# Altium PCB top_LM_v1.PcbDoc (part 1 of 5) (continued)
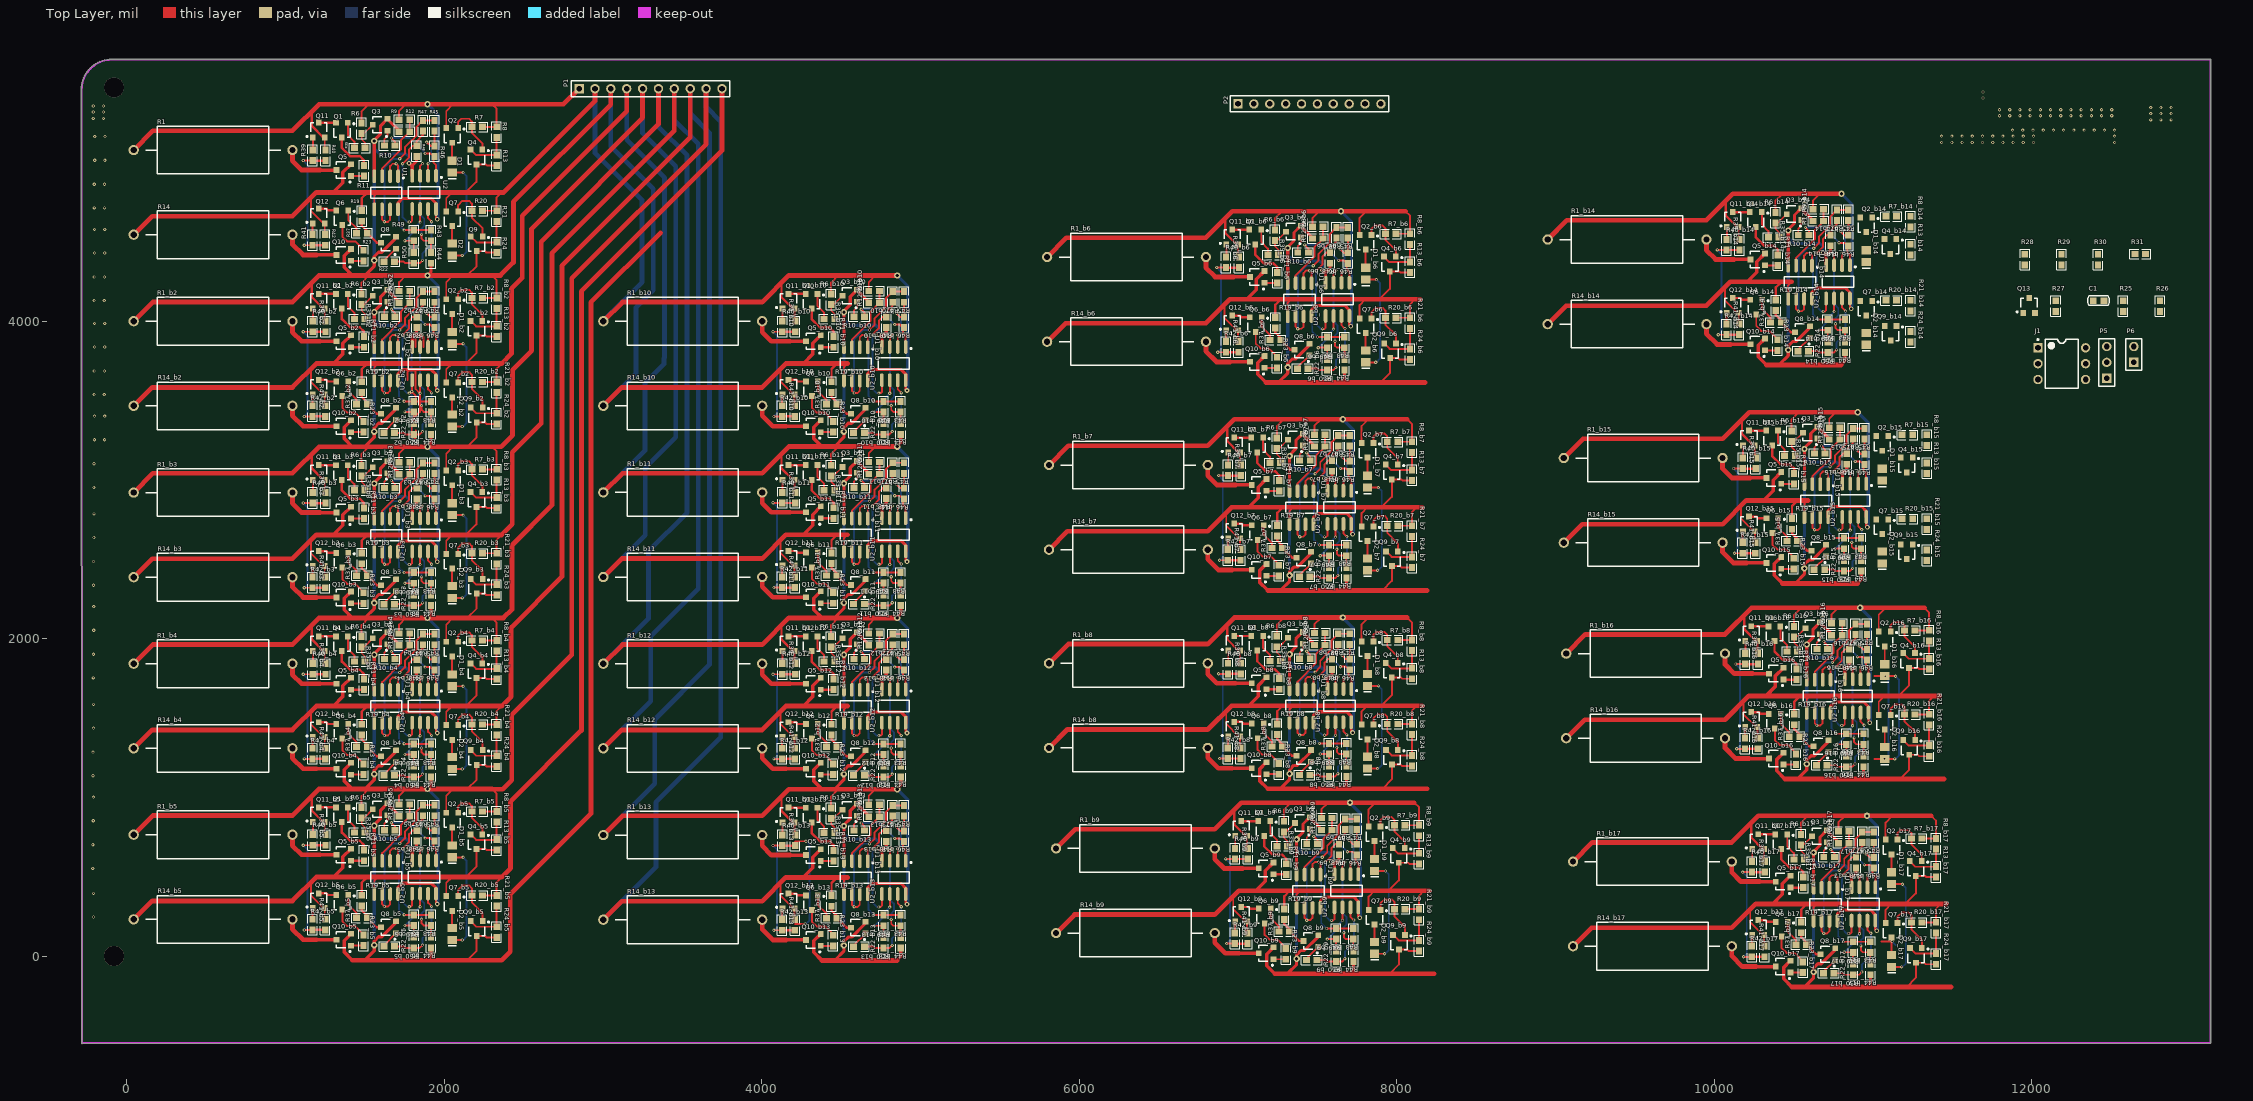
[diagram p0: Top Layer view]
## Components (designator, comment, footprint, x,y, rotation, side; value= is the part's Value field where it differs from the comment) (continued)
Q5_b7 "MOSFET-N" SOT23-3 7132.61,2968 r90 top (schematic designator Q5)
Q5_b8 "MOSFET-N" SOT23-3 7132.61,1719 r90 top (schematic designator Q5)
Q5_b9 "MOSFET-N" SOT23-3 7176.87,553.28 r90 top (schematic designator Q5)
Q5_b10 "MOSFET-N" SOT23-3 4325.87,3873.54 r90 top (schematic designator Q5)
Q5_b11 "MOSFET-N" SOT23-3 4325.87,2795.54 r90 top (schematic designator Q5)
Q5_b12 "MOSFET-N" SOT23-3 4325.87,1716.54 r90 top (schematic designator Q5)
Q5_b13 "MOSFET-N" SOT23-3 4325.87,637.54 r90 top (schematic designator Q5)
Q5_b14 "MOSFET-N" SOT23-3 10272.87,4388.28 r90 top (schematic designator Q5)
Q5_b15 "MOSFET-N" SOT23-3 10374.87,3012.02 r90 top (schematic designator Q5)
Q5_b16 "MOSFET-N" SOT23-3 10389.87,1780.28 r90 top (schematic designator Q5)
Q5_b17 "MOSFET-N" SOT23-3 10432.87,470.28 r90 top (schematic designator Q5)
Q6 "MMBT3906" SOT23-3 1358.87,4651.54 r180 top
Q6_b2 "MMBT3906" SOT23-3 1358.87,3573.54 r180 top (schematic designator Q6)
Q6_b3 "MMBT3906" SOT23-3 1358.87,2494.54 r180 top (schematic designator Q6)
Q6_b4 "MMBT3906" SOT23-3 1358.87,1416.54 r180 top (schematic designator Q6)
Q6_b5 "MMBT3906" SOT23-3 1358.87,339.54 r180 top (schematic designator Q6)
Q6_b6 "MMBT3906" SOT23-3 7111.61,3978 r180 top (schematic designator Q6)
Q6_b7 "MMBT3906" SOT23-3 7123.61,2668 r180 top (schematic designator Q6)
Q6_b8 "MMBT3906" SOT23-3 7123.61,1419 r180 top (schematic designator Q6)
Q6_b9 "MMBT3906" SOT23-3 7167.87,253.28 r180 top (schematic designator Q6)
Q6_b10 "MMBT3906" SOT23-3 4316.87,3573.54 r180 top (schematic designator Q6)
Q6_b11 "MMBT3906" SOT23-3 4316.87,2495.54 r180 top (schematic designator Q6)
Q6_b12 "MMBT3906" SOT23-3 4316.87,1416.54 r180 top (schematic designator Q6)
Q6_b13 "MMBT3906" SOT23-3 4316.87,337.54 r180 top (schematic designator Q6)
Q6_b14 "MMBT3906" SOT23-3 10263.87,4088.28 r180 top (schematic designator Q6)
Q6_b15 "MMBT3906" SOT23-3 10365.87,2712.02 r180 top (schematic designator Q6)
Q6_b16 "MMBT3906" SOT23-3 10380.87,1480.28 r180 top (schematic designator Q6)
Q6_b17 "MMBT3906" SOT23-3 10423.87,170.28 r180 top (schematic designator Q6)
Q7 "MMBT5400" SOT23-3 2050.87,4644.54 r180 top
Q7_b2 "MMBT5400" SOT23-3 2050.87,3566.54 r180 top (schematic designator Q7)
Q7_b3 "MMBT5400" SOT23-3 2050.87,2487.54 r180 top (schematic designator Q7)
Q7_b4 "MMBT5400" SOT23-3 2050.87,1409.54 r180 top (schematic designator Q7)
Q7_b5 "MMBT5400" SOT23-3 2050.87,332.54 r180 top (schematic designator Q7)
Q7_b6 "MMBT5400" SOT23-3 7803.61,3971 r180 top (schematic designator Q7)
Q7_b7 "MMBT5400" SOT23-3 7815.61,2661 r180 top (schematic designator Q7)
Q7_b8 "MMBT5400" SOT23-3 7815.61,1412 r180 top (schematic designator Q7)
Q7_b9 "MMBT5400" SOT23-3 7859.87,246.28 r180 top (schematic designator Q7)
Q7_b14 "MMBT5400" SOT23-3 10955.87,4081.28 r180 top (schematic designator Q7)
Q7_b15 "MMBT5400" SOT23-3 11057.87,2705.02 r180 top (schematic designator Q7)
Q7_b16 "MMBT5400" SOT23-3 11072.87,1473.28 r180 top (schematic designator Q7)
Q7_b17 "MMBT5400" SOT23-3 11115.87,163.28 r180 top (schematic designator Q7)
Q8 "MMBT3904" SOT23-3 1650,4494.26 r90 top
Q8_b2 "MMBT3904" SOT23-3 1650,3416.26 r90 top (schematic designator Q8)
Q8_b3 "MMBT3904" SOT23-3 1650,2337.26 r90 top (schematic designator Q8)
Q8_b4 "MMBT3904" SOT23-3 1650,1259.26 r90 top (schematic designator Q8)
Q8_b5 "MMBT3904" SOT23-3 1650,182.26 r90 top (schematic designator Q8)
Q8_b6 "MMBT3904" SOT23-3 7402.75,3820.72 r90 top (schematic designator Q8)
Q8_b7 "MMBT3904" SOT23-3 7414.75,2510.72 r90 top (schematic designator Q8)
Q8_b8 "MMBT3904" SOT23-3 7414.75,1261.72 r90 top (schematic designator Q8)
Q8_b9 "MMBT3904" SOT23-3 7459,96 r90 top (schematic designator Q8)
Q8_b10 "MMBT3904" SOT23-3 4608,3416.26 r90 top (schematic designator Q8)
Q8_b11 "MMBT3904" SOT23-3 4608,2338.26 r90 top (schematic designator Q8)
Q8_b12 "MMBT3904" SOT23-3 4608,1259.26 r90 top (schematic designator Q8)
Q8_b13 "MMBT3904" SOT23-3 4608,180.26 r90 top (schematic designator Q8)
Q8_b14 "MMBT3904" SOT23-3 10555,3931 r90 top (schematic designator Q8)
Q8_b15 "MMBT3904" SOT23-3 10657,2554.74 r90 top (schematic designator Q8)
Q8_b16 "MMBT3904" SOT23-3 10672,1323 r90 top (schematic designator Q8)
Q8_b17 "MMBT3904" SOT23-3 10715,13 r90 top (schematic designator Q8)
Q9 "TL431" SOT23-3 2204.87,4486.54 r180 top
Q9_b2 "TL431" SOT23-3 2204.87,3408.54 r180 top (schematic designator Q9)
Q9_b3 "TL431" SOT23-3 2204.87,2329.54 r180 top (schematic designator Q9)
Q9_b4 "TL431" SOT23-3 2204.87,1251.54 r180 top (schematic designator Q9)
Q9_b5 "TL431" SOT23-3 2204.87,174.54 r180 top (schematic designator Q9)
Q9_b6 "TL431" SOT23-3 7957.61,3813 r180 top (schematic designator Q9)
Q9_b7 "TL431" SOT23-3 7969.61,2503 r180 top (schematic designator Q9)
Q9_b8 "TL431" SOT23-3 7969.61,1254 r180 top (schematic designator Q9)
Q9_b9 "TL431" SOT23-3 8013.87,88.28 r180 top (schematic designator Q9)
Q9_b14 "TL431" SOT23-3 11109.87,3923.28 r180 top (schematic designator Q9)
Q9_b15 "TL431" SOT23-3 11211.87,2547.02 r180 top (schematic designator Q9)
Q9_b16 "TL431" SOT23-3 11226.87,1315.28 r180 top (schematic designator Q9)
Q9_b17 "TL431" SOT23-3 11269.87,5.28 r180 top (schematic designator Q9)
Q10 "MOSFET-N" SOT23-3 1367.87,4416.54 r90 top
Q10_b2 "MOSFET-N" SOT23-3 1367.87,3338.54 r90 top (schematic designator Q10)
Q10_b3 "MOSFET-N" SOT23-3 1367.87,2259.54 r90 top (schematic designator Q10)
Q10_b4 "MOSFET-N" SOT23-3 1367.87,1181.54 r90 top (schematic designator Q10)
Q10_b5 "MOSFET-N" SOT23-3 1367.87,104.54 r90 top (schematic designator Q10)
Q10_b6 "MOSFET-N" SOT23-3 7120.61,3743 r90 top (schematic designator Q10)
Q10_b7 "MOSFET-N" SOT23-3 7132.61,2433 r90 top (schematic designator Q10)
Q10_b8 "MOSFET-N" SOT23-3 7132.61,1184 r90 top (schematic designator Q10)
Q10_b9 "MOSFET-N" SOT23-3 7176.87,18.28 r90 top (schematic designator Q10)
Q10_b10 "MOSFET-N" SOT23-3 4325.87,3338.54 r90 top (schematic designator Q10)
Q10_b11 "MOSFET-N" SOT23-3 4325.87,2260.54 r90 top (schematic designator Q10)
Q10_b12 "MOSFET-N" SOT23-3 4325.87,1181.54 r90 top (schematic designator Q10)
Q10_b13 "MOSFET-N" SOT23-3 4325.87,102.54 r90 top (schematic designator Q10)
Q10_b14 "MOSFET-N" SOT23-3 10272.87,3853.28 r90 top (schematic designator Q10)
Q10_b15 "MOSFET-N" SOT23-3 10374.87,2477.02 r90 top (schematic designator Q10)
Q10_b16 "MOSFET-N" SOT23-3 10389.87,1245.28 r90 top (schematic designator Q10)
Q10_b17 "MOSFET-N" SOT23-3 10432.87,-64.72 r90 top (schematic designator Q10)
Q11 "MMBT3906" SOT23-3 1211,5203.26 r0 top
Q11_b2 "MMBT3906" SOT23-3 1211,4125.26 r0 top (schematic designator Q11)
Q11_b3 "MMBT3906" SOT23-3 1211,3046.26 r0 top (schematic designator Q11)
Q11_b4 "MMBT3906" SOT23-3 1211,1968.26 r0 top (schematic designator Q11)
Q11_b5 "MMBT3906" SOT23-3 1211,891.26 r0 top (schematic designator Q11)
Q11_b6 "MMBT3906" SOT23-3 6963.75,4529.72 r0 top (schematic designator Q11)
Q11_b7 "MMBT3906" SOT23-3 6975.75,3219.72 r0 top (schematic designator Q11)
Q11_b8 "MMBT3906" SOT23-3 6975.75,1970.72 r0 top (schematic designator Q11)
Q11_b9 "MMBT3906" SOT23-3 7020,805 r0 top (schematic designator Q11)
Q11_b10 "MMBT3906" SOT23-3 4169,4125.26 r0 top (schematic designator Q11)
Q11_b11 "MMBT3906" SOT23-3 4169,3047.26 r0 top (schematic designator Q11)
Q11_b12 "MMBT3906" SOT23-3 4169,1968.26 r0 top (schematic designator Q11)
Q11_b13 "MMBT3906" SOT23-3 4169,889.26 r0 top (schematic designator Q11)
Q11_b14 "MMBT3906" SOT23-3 10116,4640 r0 top (schematic designator Q11)
Q11_b15 "MMBT3906" SOT23-3 10218,3263.74 r0 top (schematic designator Q11)
Q11_b16 "MMBT3906" SOT23-3 10233,2032 r0 top (schematic designator Q11)
Q11_b17 "MMBT3906" SOT23-3 10276,722 r0 top (schematic designator Q11)
Q12 "MMBT3906" SOT23-3 1211,4662.26 r0 top
Q12_b2 "MMBT3906" SOT23-3 1211,3584.26 r0 top (schematic designator Q12)
Q12_b3 "MMBT3906" SOT23-3 1211,2505.26 r0 top (schematic designator Q12)
Q12_b4 "MMBT3906" SOT23-3 1211,1427.26 r0 top (schematic designator Q12)
Q12_b5 "MMBT3906" SOT23-3 1211,350.26 r0 top (schematic designator Q12)
Q12_b6 "MMBT3906" SOT23-3 6963.75,3988.72 r0 top (schematic designator Q12)
Q12_b7 "MMBT3906" SOT23-3 6975.75,2678.72 r0 top (schematic designator Q12)
Q12_b8 "MMBT3906" SOT23-3 6975.75,1429.72 r0 top (schematic designator Q12)
Q12_b9 "MMBT3906" SOT23-3 7020,264 r0 top (schematic designator Q12)
Q12_b10 "MMBT3906" SOT23-3 4169,3584.26 r0 top (schematic designator Q12)
Q12_b11 "MMBT3906" SOT23-3 4169,2506.26 r0 top (schematic designator Q12)
Q12_b12 "MMBT3906" SOT23-3 4169,1427.26 r0 top (schematic designator Q12)
Q12_b13 "MMBT3906" SOT23-3 4169,348.26 r0 top (schematic designator Q12)
Q12_b14 "MMBT3906" SOT23-3 10116,4099 r0 top (schematic designator Q12)
Q12_b15 "MMBT3906" SOT23-3 10218,2722.74 r0 top (schematic designator Q12)
Q12_b16 "MMBT3906" SOT23-3 10233,1491 r0 top (schematic designator Q12)
Q12_b17 "MMBT3906" SOT23-3 10276,181 r0 top (schematic designator Q12)
Q13 "NPN" SOT23-3 11982,4098 r0 top
R1 "Res1" AXIAL-1.0 545,5077.26 r180 top
R1_b2 "Res1" AXIAL-1.0 545,3999.26 r180 top (schematic designator R1)
R1_b3 "Res1" AXIAL-1.0 545,2920.26 r180 top (schematic designator R1)
R1_b4 "Res1" AXIAL-1.0 545,1842.26 r180 top (schematic designator R1)
R1_b5 "Res1" AXIAL-1.0 545,765.26 r180 top (schematic designator R1)
R1_b6 "Res1" AXIAL-1.0 6297.75,4403.72 r180 top (schematic designator R1)
R1_b7 "Res1" AXIAL-1.0 6309.75,3093.72 r180 top (schematic designator R1)
R1_b8 "Res1" AXIAL-1.0 6309.75,1844.72 r180 top (schematic designator R1)
R1_b9 "Res1" AXIAL-1.0 6354,679 r180 top (schematic designator R1)
R1_b10 "Res1" AXIAL-1.0 3503,3999.26 r180 top (schematic designator R1)
R1_b11 "Res1" AXIAL-1.0 3503,2921.26 r180 top (schematic designator R1)
R1_b12 "Res1" AXIAL-1.0 3503,1842.26 r180 top (schematic designator R1)
R1_b13 "Res1" AXIAL-1.0 3503,763.26 r180 top (schematic designator R1)
R1_b14 "Res1" AXIAL-1.0 9450,4514 r180 top (schematic designator R1)
R1_b15 "Res1" AXIAL-1.0 9552,3137.74 r180 top (schematic designator R1)
R1_b16 "Res1" AXIAL-1.0 9567,1906 r180 top (schematic designator R1)
R1_b17 "Res1" AXIAL-1.0 9610,596 r180 top (schematic designator R1)
R6 "Res1" 0603-1 1479.87,5215 r90 top
R6_b2 "Res1" 0603-1 1479.87,4137 r90 top (schematic designator R6)
R6_b3 "Res1" 0603-1 1479.87,3058 r90 top (schematic designator R6)
R6_b4 "Res1" 0603-1 1479.87,1980 r90 top (schematic designator R6)
R6_b5 "Res1" 0603-1 1479.87,903 r90 top (schematic designator R6)
R6_b6 "Res1" 0603-1 7232.61,4541.46 r90 top (schematic designator R6)
R6_b7 "Res1" 0603-1 7244.61,3231.46 r90 top (schematic designator R6)
R6_b8 "Res1" 0603-1 7244.61,1982.46 r90 top (schematic designator R6)
R6_b9 "Res1" 0603-1 7288.87,816.74 r90 top (schematic designator R6)
R6_b10 "Res1" 0603-1 4437.87,4137 r90 top (schematic designator R6)
R6_b11 "Res1" 0603-1 4437.87,3059 r90 top (schematic designator R6)
R6_b12 "Res1" 0603-1 4437.87,1980 r90 top (schematic designator R6)
R6_b13 "Res1" 0603-1 4437.87,901 r90 top (schematic designator R6)
R6_b14 "Res1" 0603-1 10384.87,4651.74 r90 top (schematic designator R6)
R6_b15 "Res1" 0603-1 10486.87,3275.48 r90 top (schematic designator R6)
R6_b16 "Res1" 0603-1 10501.87,2043.74 r90 top (schematic designator R6)
R6_b17 "Res1" 0603-1 10544.87,733.74 r90 top (schematic designator R6)
R7 "Res1" 0603-1 2208.87,5223.54 r0 top
R7_b2 "Res1" 0603-1 2208.87,4145.54 r0 top (schematic designator R7)
R7_b3 "Res1" 0603-1 2208.87,3066.54 r0 top (schematic designator R7)
R7_b4 "Res1" 0603-1 2208.87,1988.54 r0 top (schematic designator R7)
R7_b5 "Res1" 0603-1 2208.87,911.54 r0 top (schematic designator R7)
R7_b6 "Res1" 0603-1 7961.61,4550 r0 top (schematic designator R7)
R7_b7 "Res1" 0603-1 7973.61,3240 r0 top (schematic designator R7)
R7_b8 "Res1" 0603-1 7973.61,1991 r0 top (schematic designator R7)
R7_b9 "Res1" 0603-1 8017.87,825.28 r0 top (schematic designator R7)
R7_b14 "Res1" 0603-1 11113.87,4660.28 r0 top (schematic designator R7)
R7_b15 "Res1" 0603-1 11215.87,3284.02 r0 top (schematic designator R7)
R7_b16 "Res1" 0603-1 11230.87,2052.28 r0 top (schematic designator R7)
R7_b17 "Res1" 0603-1 11273.87,742.28 r0 top (schematic designator R7)
R8 "Res1" 0603-1 2330.87,5190.54 r90 top
R8_b2 "Res1" 0603-1 2330.87,4112.54 r90 top (schematic designator R8)
R8_b3 "Res1" 0603-1 2330.87,3033.54 r90 top (schematic designator R8)
R8_b4 "Res1" 0603-1 2330.87,1955.54 r90 top (schematic designator R8)
R8_b5 "Res1" 0603-1 2330.87,878.54 r90 top (schematic designator R8)
R8_b6 "Res1" 0603-1 8083.61,4517 r90 top (schematic designator R8)
R8_b7 "Res1" 0603-1 8095.61,3207 r90 top (schematic designator R8)
R8_b8 "Res1" 0603-1 8095.61,1958 r90 top (schematic designator R8)
R8_b9 "Res1" 0603-1 8139.87,792.28 r90 top (schematic designator R8)
R8_b14 "Res1" 0603-1 11235.87,4627.28 r90 top (schematic designator R8)
R8_b15 "Res1" 0603-1 11337.87,3251.02 r90 top (schematic designator R8)
R8_b16 "Res1" 0603-1 11352.87,2019.28 r90 top (schematic designator R8)
R8_b17 "Res1" 0603-1 11395.87,709.28 r90 top (schematic designator R8)
R9 "Res1" 0603-1 1750,5268.26 r180 top
R9_b2 "Res1" 0603-1 1750,4190.26 r180 top (schematic designator R9)
R9_b3 "Res1" 0603-1 1750,3111.26 r180 top (schematic designator R9)
R9_b4 "Res1" 0603-1 1750,2033.26 r180 top (schematic designator R9)
R9_b5 "Res1" 0603-1 1750,956.26 r180 top (schematic designator R9)
R9_b6 "Res1" 0603-1 7502.75,4594.72 r180 top (schematic designator R9)
R9_b7 "Res1" 0603-1 7514.75,3284.72 r180 top (schematic designator R9)
R9_b8 "Res1" 0603-1 7514.75,2035.72 r180 top (schematic designator R9)
R9_b9 "Res1" 0603-1 7559,870 r180 top (schematic designator R9)
R9_b10 "Res1" 0603-1 4708,4190.26 r180 top (schematic designator R9)
R9_b11 "Res1" 0603-1 4708,3112.26 r180 top (schematic designator R9)
R9_b12 "Res1" 0603-1 4708,2033.26 r180 top (schematic designator R9)
R9_b13 "Res1" 0603-1 4708,954.26 r180 top (schematic designator R9)
R9_b14 "Res1" 0603-1 10655,4705 r180 top (schematic designator R9)
R9_b15 "Res1" 0603-1 10757,3328.74 r180 top (schematic designator R9)
R9_b16 "Res1" 0603-1 10772,2097 r180 top (schematic designator R9)
R9_b17 "Res1" 0603-1 10815,787 r180 top (schematic designator R9)
R10 "Res1" 0603-1 1657,5106.26 r0 top
R10_b2 "Res1" 0603-1 1657,4028.26 r0 top (schematic designator R10)
R10_b3 "Res1" 0603-1 1657,2949.26 r0 top (schematic designator R10)
R10_b4 "Res1" 0603-1 1657,1871.26 r0 top (schematic designator R10)
R10_b5 "Res1" 0603-1 1657,794.26 r0 top (schematic designator R10)
R10_b6 "Res1" 0603-1 7409.75,4432.72 r0 top (schematic designator R10)
R10_b7 "Res1" 0603-1 7421.75,3122.72 r0 top (schematic designator R10)
R10_b8 "Res1" 0603-1 7421.75,1873.72 r0 top (schematic designator R10)
R10_b9 "Res1" 0603-1 7466,708 r0 top (schematic designator R10)
R10_b10 "Res1" 0603-1 4615,4028.26 r0 top (schematic designator R10)
R10_b11 "Res1" 0603-1 4615,2950.26 r0 top (schematic designator R10)
R10_b12 "Res1" 0603-1 4615,1871.26 r0 top (schematic designator R10)
R10_b13 "Res1" 0603-1 4615,792.26 r0 top (schematic designator R10)
R10_b14 "Res1" 0603-1 10562,4543 r0 top (schematic designator R10)
R10_b15 "Res1" 0603-1 10664,3166.74 r0 top (schematic designator R10)
R10_b16 "Res1" 0603-1 10679,1935 r0 top (schematic designator R10)
R10_b17 "Res1" 0603-1 10722,625 r0 top (schematic designator R10)
R11 "Res1" 0603-1 1495,4947.26 r90 top
R11_b2 "Res1" 0603-1 1495,3869.26 r90 top (schematic designator R11)
R11_b3 "Res1" 0603-1 1495,2790.26 r90 top (schematic designator R11)
R11_b4 "Res1" 0603-1 1495,1712.26 r90 top (schematic designator R11)
R11_b5 "Res1" 0603-1 1495,635.26 r90 top (schematic designator R11)
R11_b6 "Res1" 0603-1 7247.75,4273.72 r90 top (schematic designator R11)
R11_b7 "Res1" 0603-1 7259.75,2963.72 r90 top (schematic designator R11)
R11_b8 "Res1" 0603-1 7259.75,1714.72 r90 top (schematic designator R11)
R11_b9 "Res1" 0603-1 7304,549 r90 top (schematic designator R11)
R11_b10 "Res1" 0603-1 4453,3869.26 r90 top (schematic designator R11)
R11_b11 "Res1" 0603-1 4453,2791.26 r90 top (schematic designator R11)
R11_b12 "Res1" 0603-1 4453,1712.26 r90 top (schematic designator R11)
R11_b13 "Res1" 0603-1 4453,633.26 r90 top (schematic designator R11)
R11_b14 "Res1" 0603-1 10400,4384 r90 top (schematic designator R11)
R11_b15 "Res1" 0603-1 10502,3007.74 r90 top (schematic designator R11)
R11_b16 "Res1" 0603-1 10517,1776 r90 top (schematic designator R11)
R11_b17 "Res1" 0603-1 10560,466 r90 top (schematic designator R11)
R12 "Res1" 0603-1 1750,5193.26 r0 top
R12_b2 "Res1" 0603-1 1750,4115.26 r0 top (schematic designator R12)
R12_b3 "Res1" 0603-1 1750,3036.26 r0 top (schematic designator R12)
R12_b4 "Res1" 0603-1 1750,1958.26 r0 top (schematic designator R12)
R12_b5 "Res1" 0603-1 1750,881.26 r0 top (schematic designator R12)
R12_b6 "Res1" 0603-1 7502.75,4519.72 r0 top (schematic designator R12)
R12_b7 "Res1" 0603-1 7514.75,3209.72 r0 top (schematic designator R12)
R12_b8 "Res1" 0603-1 7514.75,1960.72 r0 top (schematic designator R12)
R12_b9 "Res1" 0603-1 7559,795 r0 top (schematic designator R12)
R12_b10 "Res1" 0603-1 4708,4115.26 r0 top (schematic designator R12)
R12_b11 "Res1" 0603-1 4708,3037.26 r0 top (schematic designator R12)
R12_b12 "Res1" 0603-1 4708,1958.26 r0 top (schematic designator R12)
R12_b13 "Res1" 0603-1 4708,879.26 r0 top (schematic designator R12)
R12_b14 "Res1" 0603-1 10655,4630 r0 top (schematic designator R12)
R12_b15 "Res1" 0603-1 10757,3253.74 r0 top (schematic designator R12)
R12_b16 "Res1" 0603-1 10772,2022 r0 top (schematic designator R12)
R12_b17 "Res1" 0603-1 10815,712 r0 top (schematic designator R12)
R13 "Res1" 0603-1 2330.87,5013.54 r90 top
R13_b2 "Res1" 0603-1 2330.87,3935.54 r90 top (schematic designator R13)
R13_b3 "Res1" 0603-1 2330.87,2856.54 r90 top (schematic designator R13)
R13_b4 "Res1" 0603-1 2330.87,1778.54 r90 top (schematic designator R13)
R13_b5 "Res1" 0603-1 2330.87,701.54 r90 top (schematic designator R13)
R13_b6 "Res1" 0603-1 8083.61,4340 r90 top (schematic designator R13)
R13_b7 "Res1" 0603-1 8095.61,3030 r90 top (schematic designator R13)
R13_b8 "Res1" 0603-1 8095.61,1781 r90 top (schematic designator R13)
R13_b9 "Res1" 0603-1 8139.87,615.28 r90 top (schematic designator R13)
R13_b14 "Res1" 0603-1 11235.87,4450.28 r90 top (schematic designator R13)
R13_b15 "Res1" 0603-1 11337.87,3074.02 r90 top (schematic designator R13)
R13_b16 "Res1" 0603-1 11352.87,1842.28 r90 top (schematic designator R13)
R13_b17 "Res1" 0603-1 11395.87,532.28 r90 top (schematic designator R13)
R14 "Res1" AXIAL-1.0 545,4544.26 r180 top
R14_b2 "Res1" AXIAL-1.0 545,3466.26 r180 top (schematic designator R14)
R14_b3 "Res1" AXIAL-1.0 545,2387.26 r180 top (schematic designator R14)
R14_b4 "Res1" AXIAL-1.0 545,1309.26 r180 top (schematic designator R14)
R14_b5 "Res1" AXIAL-1.0 545,232.26 r180 top (schematic designator R14)
R14_b6 "Res1" AXIAL-1.0 6297.75,3870.72 r180 top (schematic designator R14)
R14_b7 "Res1" AXIAL-1.0 6309.75,2560.72 r180 top (schematic designator R14)
R14_b8 "Res1" AXIAL-1.0 6309.75,1311.72 r180 top (schematic designator R14)
R14_b9 "Res1" AXIAL-1.0 6354,146 r180 top (schematic designator R14)
R14_b10 "Res1" AXIAL-1.0 3503,3466.26 r180 top (schematic designator R14)
R14_b11 "Res1" AXIAL-1.0 3503,2388.26 r180 top (schematic designator R14)
R14_b12 "Res1" AXIAL-1.0 3503,1309.26 r180 top (schematic designator R14)
R14_b13 "Res1" AXIAL-1.0 3503,230.26 r180 top (schematic designator R14)
R14_b14 "Res1" AXIAL-1.0 9450,3981 r180 top (schematic designator R14)
R14_b15 "Res1" AXIAL-1.0 9552,2604.74 r180 top (schematic designator R14)
R14_b16 "Res1" AXIAL-1.0 9567,1373 r180 top (schematic designator R14)
R14_b17 "Res1" AXIAL-1.0 9610,63 r180 top (schematic designator R14)
R19 "Res1" 0603-1 1481.87,4662.54 r90 top
R19_b2 "Res1" 0603-1 1481.87,3584.54 r90 top (schematic designator R19)
R19_b3 "Res1" 0603-1 1481.87,2505.54 r90 top (schematic designator R19)
R19_b4 "Res1" 0603-1 1481.87,1427.54 r90 top (schematic designator R19)
R19_b5 "Res1" 0603-1 1481.87,350.54 r90 top (schematic designator R19)
R19_b6 "Res1" 0603-1 7234.61,3989 r90 top (schematic designator R19)
R19_b7 "Res1" 0603-1 7246.61,2679 r90 top (schematic designator R19)
R19_b8 "Res1" 0603-1 7246.61,1430 r90 top (schematic designator R19)
R19_b9 "Res1" 0603-1 7290.87,264.28 r90 top (schematic designator R19)
R19_b10 "Res1" 0603-1 4439.87,3584.54 r90 top (schematic designator R19)
R19_b11 "Res1" 0603-1 4439.87,2506.54 r90 top (schematic designator R19)
R19_b12 "Res1" 0603-1 4439.87,1427.54 r90 top (schematic designator R19)
R19_b13 "Res1" 0603-1 4439.87,348.54 r90 top (schematic designator R19)
R19_b14 "Res1" 0603-1 10386.87,4099.28 r90 top (schematic designator R19)
R19_b15 "Res1" 0603-1 10488.87,2723.02 r90 top (schematic designator R19)
R19_b16 "Res1" 0603-1 10503.87,1491.28 r90 top (schematic designator R19)
R19_b17 "Res1" 0603-1 10546.87,181.28 r90 top (schematic designator R19)
R20 "Res1" 0603-1 2208.87,4694.54 r0 top
R20_b2 "Res1" 0603-1 2208.87,3616.54 r0 top (schematic designator R20)
R20_b3 "Res1" 0603-1 2208.87,2537.54 r0 top (schematic designator R20)
R20_b4 "Res1" 0603-1 2208.87,1459.54 r0 top (schematic designator R20)
R20_b5 "Res1" 0603-1 2208.87,382.54 r0 top (schematic designator R20)
R20_b6 "Res1" 0603-1 7961.61,4021 r0 top (schematic designator R20)
R20_b7 "Res1" 0603-1 7973.61,2711 r0 top (schematic designator R20)
R20_b8 "Res1" 0603-1 7973.61,1462 r0 top (schematic designator R20)
R20_b9 "Res1" 0603-1 8017.87,296.28 r0 top (schematic designator R20)
R20_b14 "Res1" 0603-1 11113.87,4131.28 r0 top (schematic designator R20)
R20_b15 "Res1" 0603-1 11215.87,2755.02 r0 top (schematic designator R20)
R20_b16 "Res1" 0603-1 11230.87,1523.28 r0 top (schematic designator R20)
R20_b17 "Res1" 0603-1 11273.87,213.28 r0 top (schematic designator R20)
R21 "Res1" 0603-1 2330.87,4661.54 r90 top
R21_b2 "Res1" 0603-1 2330.87,3583.54 r90 top (schematic designator R21)
R21_b3 "Res1" 0603-1 2330.87,2504.54 r90 top (schematic designator R21)
R21_b4 "Res1" 0603-1 2330.87,1426.54 r90 top (schematic designator R21)
R21_b5 "Res1" 0603-1 2330.87,349.54 r90 top (schematic designator R21)
R21_b6 "Res1" 0603-1 8083.61,3988 r90 top (schematic designator R21)
R21_b7 "Res1" 0603-1 8095.61,2678 r90 top (schematic designator R21)
R21_b8 "Res1" 0603-1 8095.61,1429 r90 top (schematic designator R21)
R21_b9 "Res1" 0603-1 8139.87,263.28 r90 top (schematic designator R21)
R21_b14 "Res1" 0603-1 11235.87,4098.28 r90 top (schematic designator R21)
R21_b15 "Res1" 0603-1 11337.87,2722.02 r90 top (schematic designator R21)
R21_b16 "Res1" 0603-1 11352.87,1490.28 r90 top (schematic designator R21)
R21_b17 "Res1" 0603-1 11395.87,180.28 r90 top (schematic designator R21)
R22 "Res1" 0603-1 1655,4374.26 r180 top
R22_b2 "Res1" 0603-1 1655,3296.26 r180 top (schematic designator R22)
R22_b3 "Res1" 0603-1 1655,2217.26 r180 top (schematic designator R22)
R22_b4 "Res1" 0603-1 1655,1139.26 r180 top (schematic designator R22)
R22_b5 "Res1" 0603-1 1655,62.26 r180 top (schematic designator R22)
R22_b6 "Res1" 0603-1 7407.75,3700.72 r180 top (schematic designator R22)
R22_b7 "Res1" 0603-1 7419.75,2390.72 r180 top (schematic designator R22)
R22_b8 "Res1" 0603-1 7419.75,1141.72 r180 top (schematic designator R22)
R22_b9 "Res1" 0603-1 7464,-24 r180 top (schematic designator R22)
R22_b10 "Res1" 0603-1 4613,3296.26 r180 top (schematic designator R22)
R22_b11 "Res1" 0603-1 4613,2218.26 r180 top (schematic designator R22)
R22_b12 "Res1" 0603-1 4613,1139.26 r180 top (schematic designator R22)
R22_b13 "Res1" 0603-1 4613,60.26 r180 top (schematic designator R22)
R22_b14 "Res1" 0603-1 10560,3811 r180 top (schematic designator R22)
R22_b15 "Res1" 0603-1 10662,2434.74 r180 top (schematic designator R22)
R22_b16 "Res1" 0603-1 10677,1203 r180 top (schematic designator R22)
R22_b17 "Res1" 0603-1 10720,-107 r180 top (schematic designator R22)
R23 "Res1" 0603-1 1492.25,4412.54 r90 top
R23_b2 "Res1" 0603-1 1492.25,3334.54 r90 top (schematic designator R23)
R23_b3 "Res1" 0603-1 1492.25,2255.54 r90 top (schematic designator R23)
R23_b4 "Res1" 0603-1 1492.25,1177.54 r90 top (schematic designator R23)
R23_b5 "Res1" 0603-1 1492.25,100.54 r90 top (schematic designator R23)
R23_b6 "Res1" 0603-1 7245,3739 r90 top (schematic designator R23)
R23_b7 "Res1" 0603-1 7257,2429 r90 top (schematic designator R23)
R23_b8 "Res1" 0603-1 7257,1180 r90 top (schematic designator R23)
R23_b9 "Res1" 0603-1 7301.25,14.28 r90 top (schematic designator R23)
R23_b10 "Res1" 0603-1 4450.25,3334.54 r90 top (schematic designator R23)
R23_b11 "Res1" 0603-1 4450.25,2256.54 r90 top (schematic designator R23)
R23_b12 "Res1" 0603-1 4450.25,1177.54 r90 top (schematic designator R23)
R23_b13 "Res1" 0603-1 4450.25,98.54 r90 top (schematic designator R23)
R23_b14 "Res1" 0603-1 10397.25,3849.28 r90 top (schematic designator R23)
R23_b15 "Res1" 0603-1 10499.25,2473.02 r90 top (schematic designator R23)
R23_b16 "Res1" 0603-1 10514.25,1241.28 r90 top (schematic designator R23)
R23_b17 "Res1" 0603-1 10557.25,-68.72 r90 top (schematic designator R23)
R24 "Res1" 0603-1 2330.87,4464.54 r90 top
R24_b2 "Res1" 0603-1 2330.87,3386.54 r90 top (schematic designator R24)
R24_b3 "Res1" 0603-1 2330.87,2307.54 r90 top (schematic designator R24)
R24_b4 "Res1" 0603-1 2330.87,1229.54 r90 top (schematic designator R24)
R24_b5 "Res1" 0603-1 2330.87,152.54 r90 top (schematic designator R24)
R24_b6 "Res1" 0603-1 8083.61,3791 r90 top (schematic designator R24)
R24_b7 "Res1" 0603-1 8095.61,2481 r90 top (schematic designator R24)
R24_b8 "Res1" 0603-1 8095.61,1232 r90 top (schematic designator R24)
R24_b9 "Res1" 0603-1 8139.87,66.28 r90 top (schematic designator R24)
R24_b14 "Res1" 0603-1 11235.87,3901.28 r90 top (schematic designator R24)
R24_b15 "Res1" 0603-1 11337.87,2525.02 r90 top (schematic designator R24)
R24_b16 "Res1" 0603-1 11352.87,1293.28 r90 top (schematic designator R24)
R24_b17 "Res1" 0603-1 11395.87,-16.72 r90 top (schematic designator R24)
R25 "Res1" 0603-1 12575,4095 r90 top
R26 "Res1" 0603-1 12806,4095 r90 top
R27 "Res1" 0603-1 12150,4095 r90 top
R28 "Res1" 0603-1 11955,4388 r90 top
R29 "Res1" 0603-1 12186,4388 r90 top
R30 "Res1" 0603-1 12416,4388 r90 top
R31 "Res1" 0603-1 12682,4423 r0 top
R35 "Res1" 0603-1 1469,5091.26 r180 top
R35_b2 "Res1" 0603-1 1469,4013.26 r180 top (schematic designator R35)
R35_b3 "Res1" 0603-1 1469,2934.26 r180 top (schematic designator R35)
R35_b4 "Res1" 0603-1 1469,1856.26 r180 top (schematic designator R35)
R35_b5 "Res1" 0603-1 1469,779.26 r180 top (schematic designator R35)
R35_b6 "Res1" 0603-1 7221.75,4417.72 r180 top (schematic designator R35)
R35_b7 "Res1" 0603-1 7233.75,3107.72 r180 top (schematic designator R35)
R35_b8 "Res1" 0603-1 7233.75,1858.72 r180 top (schematic designator R35)
R35_b9 "Res1" 0603-1 7278,693 r180 top (schematic designator R35)
R35_b10 "Res1" 0603-1 4427,4013.26 r180 top (schematic designator R35)
R35_b11 "Res1" 0603-1 4427,2935.26 r180 top (schematic designator R35)
R35_b12 "Res1" 0603-1 4427,1856.26 r180 top (schematic designator R35)
R35_b13 "Res1" 0603-1 4427,777.26 r180 top (schematic designator R35)
R35_b14 "Res1" 0603-1 10374,4528 r180 top (schematic designator R35)
R35_b15 "Res1" 0603-1 10476,3151.74 r180 top (schematic designator R35)
R35_b16 "Res1" 0603-1 10491,1920 r180 top (schematic designator R35)
R35_b17 "Res1" 0603-1 10534,610 r180 top (schematic designator R35)
R37 "Res1" 0603-1 1482.87,4554 r180 top
R37_b2 "Res1" 0603-1 1482.87,3476 r180 top (schematic designator R37)
R37_b3 "Res1" 0603-1 1482.87,2397 r180 top (schematic designator R37)
R37_b4 "Res1" 0603-1 1482.87,1319 r180 top (schematic designator R37)
R37_b5 "Res1" 0603-1 1482.87,242 r180 top (schematic designator R37)
R37_b6 "Res1" 0603-1 7235.61,3880.46 r180 top (schematic designator R37)
R37_b7 "Res1" 0603-1 7247.61,2570.46 r180 top (schematic designator R37)
R37_b8 "Res1" 0603-1 7247.61,1321.46 r180 top (schematic designator R37)
R37_b9 "Res1" 0603-1 7291.87,155.74 r180 top (schematic designator R37)
R37_b10 "Res1" 0603-1 4440.87,3476 r180 top (schematic designator R37)
R37_b11 "Res1" 0603-1 4440.87,2398 r180 top (schematic designator R37)
R37_b12 "Res1" 0603-1 4440.87,1319 r180 top (schematic designator R37)
R37_b13 "Res1" 0603-1 4440.87,240 r180 top (schematic designator R37)
R37_b14 "Res1" 0603-1 10387.87,3990.74 r180 top (schematic designator R37)
R37_b15 "Res1" 0603-1 10489.87,2614.48 r180 top (schematic designator R37)
R37_b16 "Res1" 0603-1 10504.87,1382.74 r180 top (schematic designator R37)
R37_b17 "Res1" 0603-1 10547.87,72.74 r180 top (schematic designator R37)
R39 "Res1" 0603-1 1172,5044.26 r90 top
R39_b2 "Res1" 0603-1 1172,3966.26 r90 top (schematic designator R39)
R39_b3 "Res1" 0603-1 1172,2887.26 r90 top (schematic designator R39)
R39_b4 "Res1" 0603-1 1172,1809.26 r90 top (schematic designator R39)
R39_b5 "Res1" 0603-1 1172,732.26 r90 top (schematic designator R39)
R39_b6 "Res1" 0603-1 6924.75,4370.72 r90 top (schematic designator R39)
R39_b7 "Res1" 0603-1 6936.75,3060.72 r90 top (schematic designator R39)
R39_b8 "Res1" 0603-1 6936.75,1811.72 r90 top (schematic designator R39)
R39_b9 "Res1" 0603-1 6981,646 r90 top (schematic designator R39)
R39_b10 "Res1" 0603-1 4130,3966.26 r90 top (schematic designator R39)
R39_b11 "Res1" 0603-1 4130,2888.26 r90 top (schematic designator R39)
R39_b12 "Res1" 0603-1 4130,1809.26 r90 top (schematic designator R39)
R39_b13 "Res1" 0603-1 4130,730.26 r90 top (schematic designator R39)
R39_b14 "Res1" 0603-1 10077,4481 r90 top (schematic designator R39)
R39_b15 "Res1" 0603-1 10179,3104.74 r90 top (schematic designator R39)
R39_b16 "Res1" 0603-1 10194,1873 r90 top (schematic designator R39)
R39_b17 "Res1" 0603-1 10237,563 r90 top (schematic designator R39)
R40 "Res1" 0603-1 1253,5044.26 r270 top
R40_b2 "Res1" 0603-1 1253,3966.26 r270 top (schematic designator R40)
R40_b3 "Res1" 0603-1 1253,2887.26 r270 top (schematic designator R40)
R40_b4 "Res1" 0603-1 1253,1809.26 r270 top (schematic designator R40)
R40_b5 "Res1" 0603-1 1253,732.26 r270 top (schematic designator R40)
R40_b6 "Res1" 0603-1 7005.75,4370.72 r270 top (schematic designator R40)
R40_b7 "Res1" 0603-1 7017.75,3060.72 r270 top (schematic designator R40)
R40_b8 "Res1" 0603-1 7017.75,1811.72 r270 top (schematic designator R40)
R40_b9 "Res1" 0603-1 7062,646 r270 top (schematic designator R40)
R40_b10 "Res1" 0603-1 4211,3966.26 r270 top (schematic designator R40)
R40_b11 "Res1" 0603-1 4211,2888.26 r270 top (schematic designator R40)
R40_b12 "Res1" 0603-1 4211,1809.26 r270 top (schematic designator R40)
R40_b13 "Res1" 0603-1 4211,730.26 r270 top (schematic designator R40)
R40_b14 "Res1" 0603-1 10158,4481 r270 top (schematic designator R40)
R40_b15 "Res1" 0603-1 10260,3104.74 r270 top (schematic designator R40)
R40_b16 "Res1" 0603-1 10275,1873 r270 top (schematic designator R40)
R40_b17 "Res1" 0603-1 10318,563 r270 top (schematic designator R40)
R41 "Res1" 0603-1 1171,4511.26 r270 top
R41_b2 "Res1" 0603-1 1171,3433.26 r270 top (schematic designator R41)
R41_b3 "Res1" 0603-1 1171,2354.26 r270 top (schematic designator R41)